# KiCad board mobo.kicad_pcb
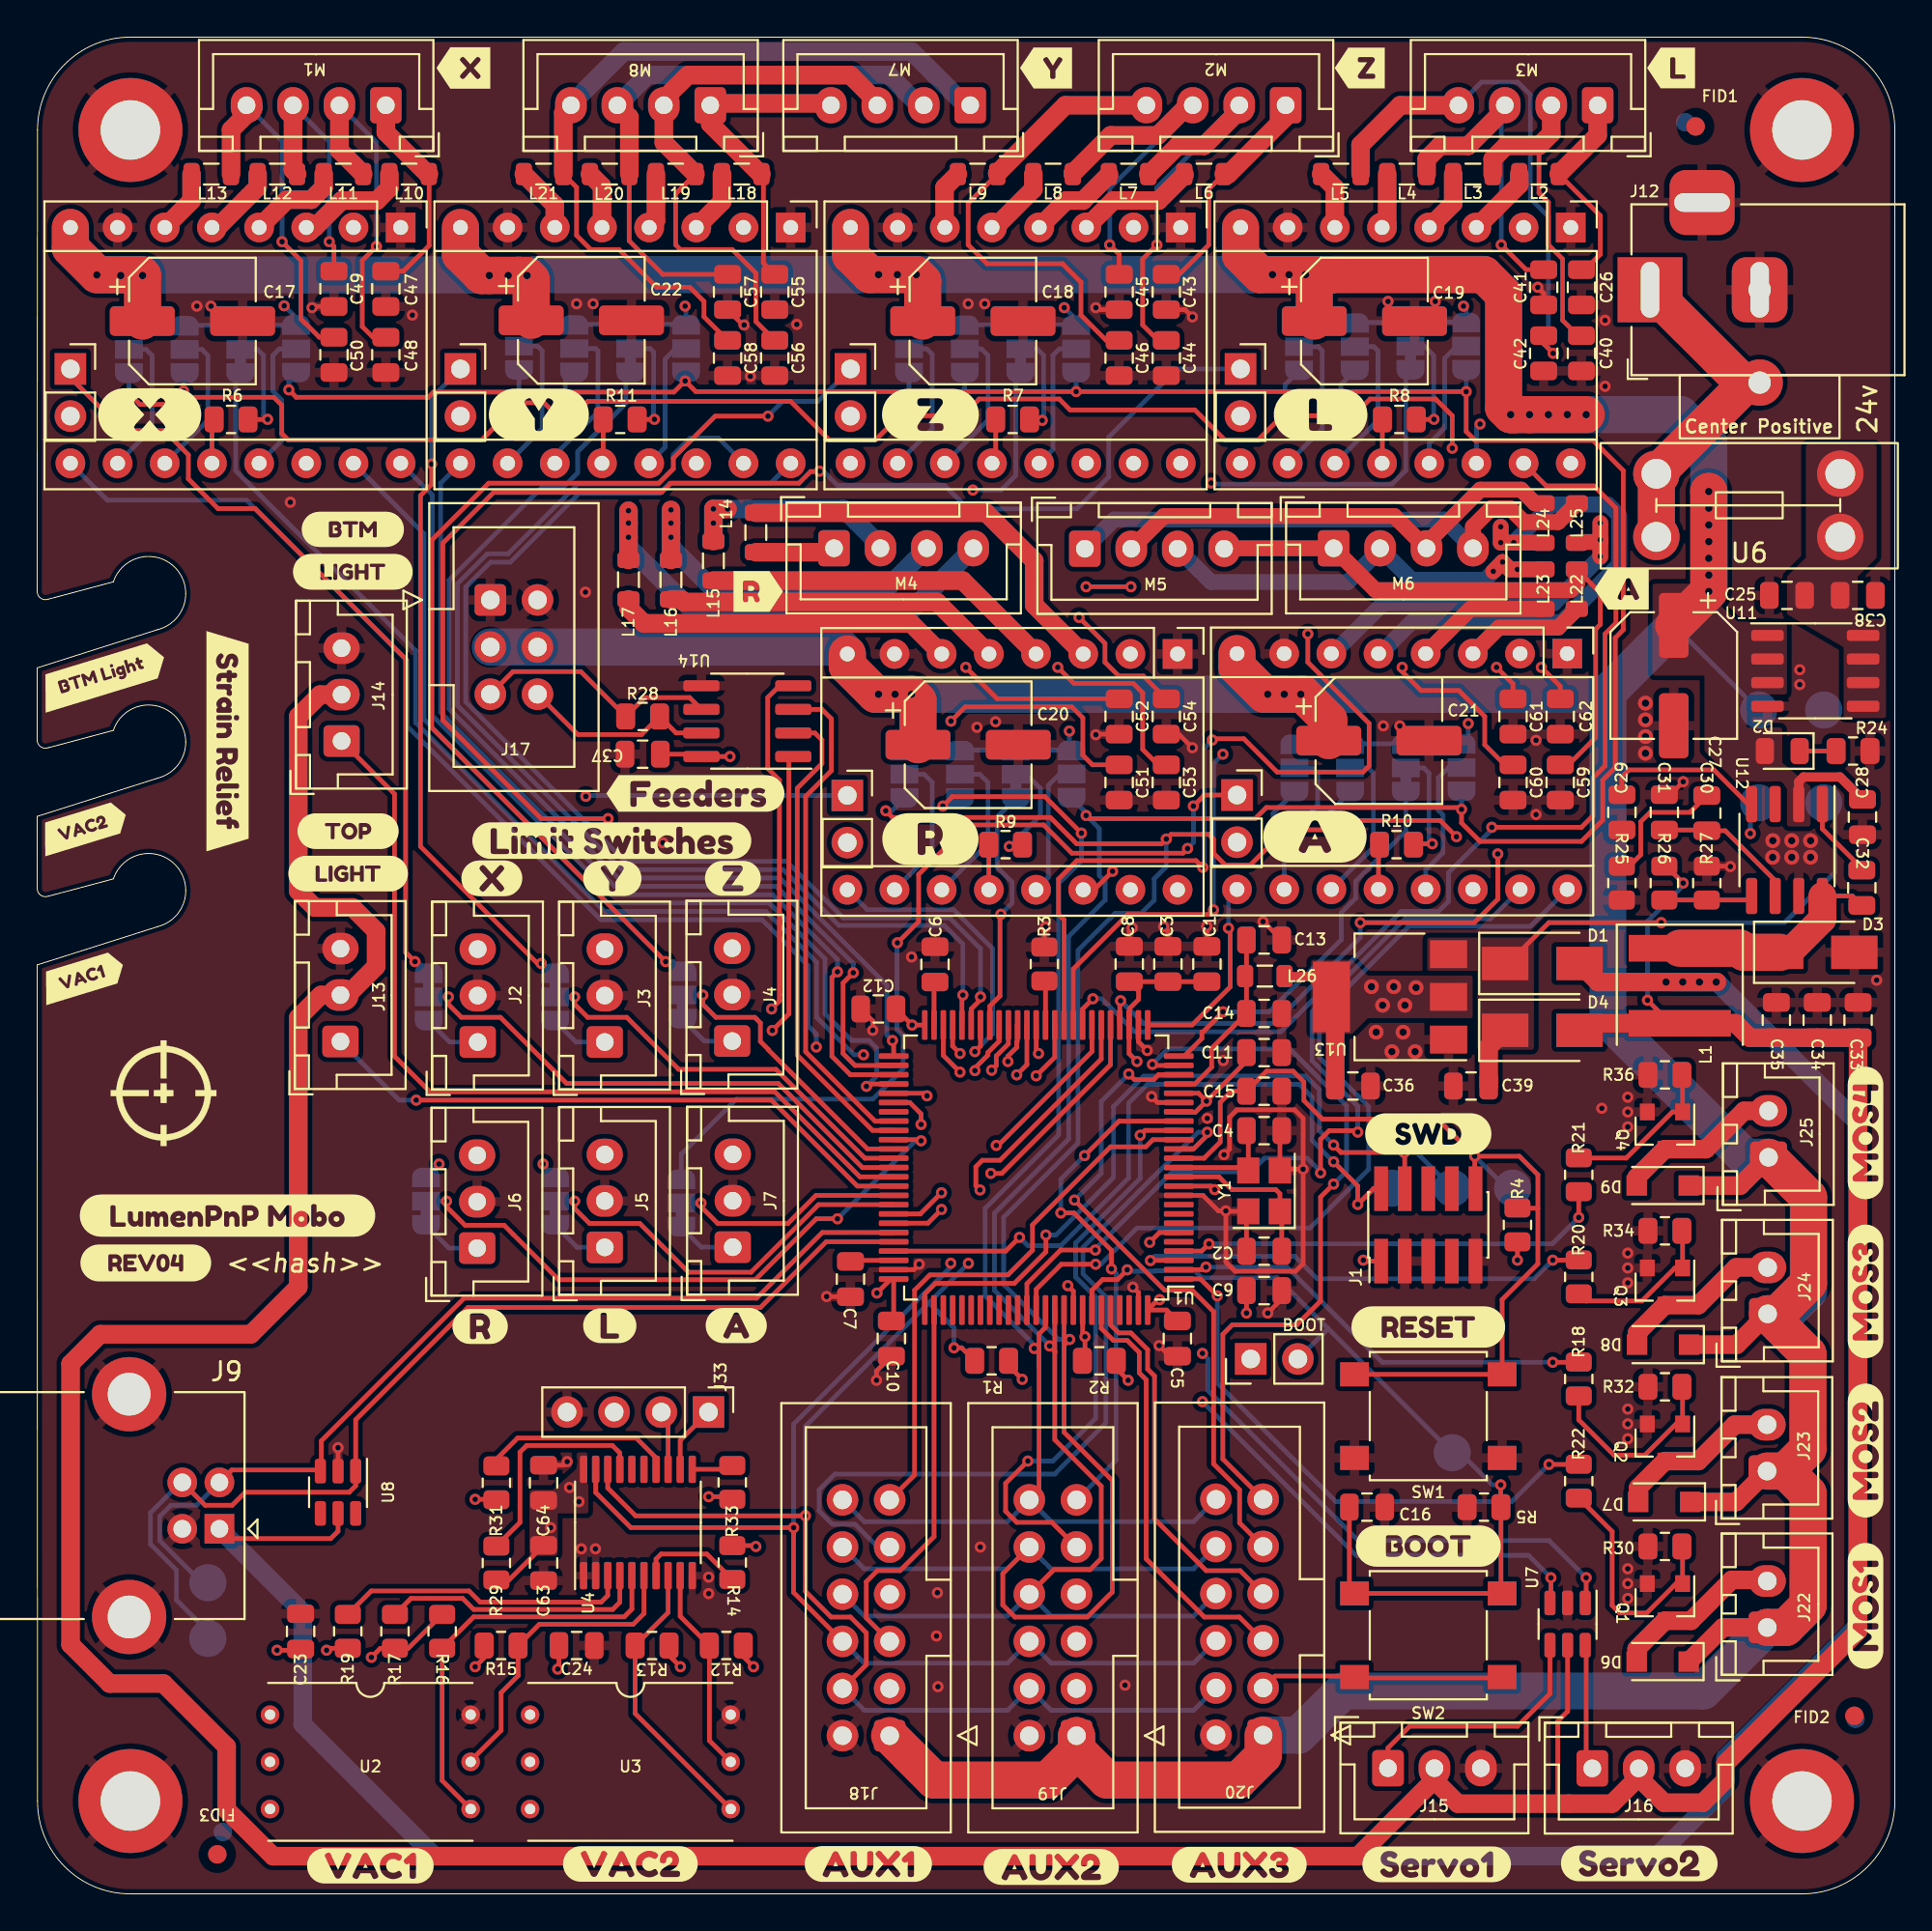
[diagram p0: board, top side]
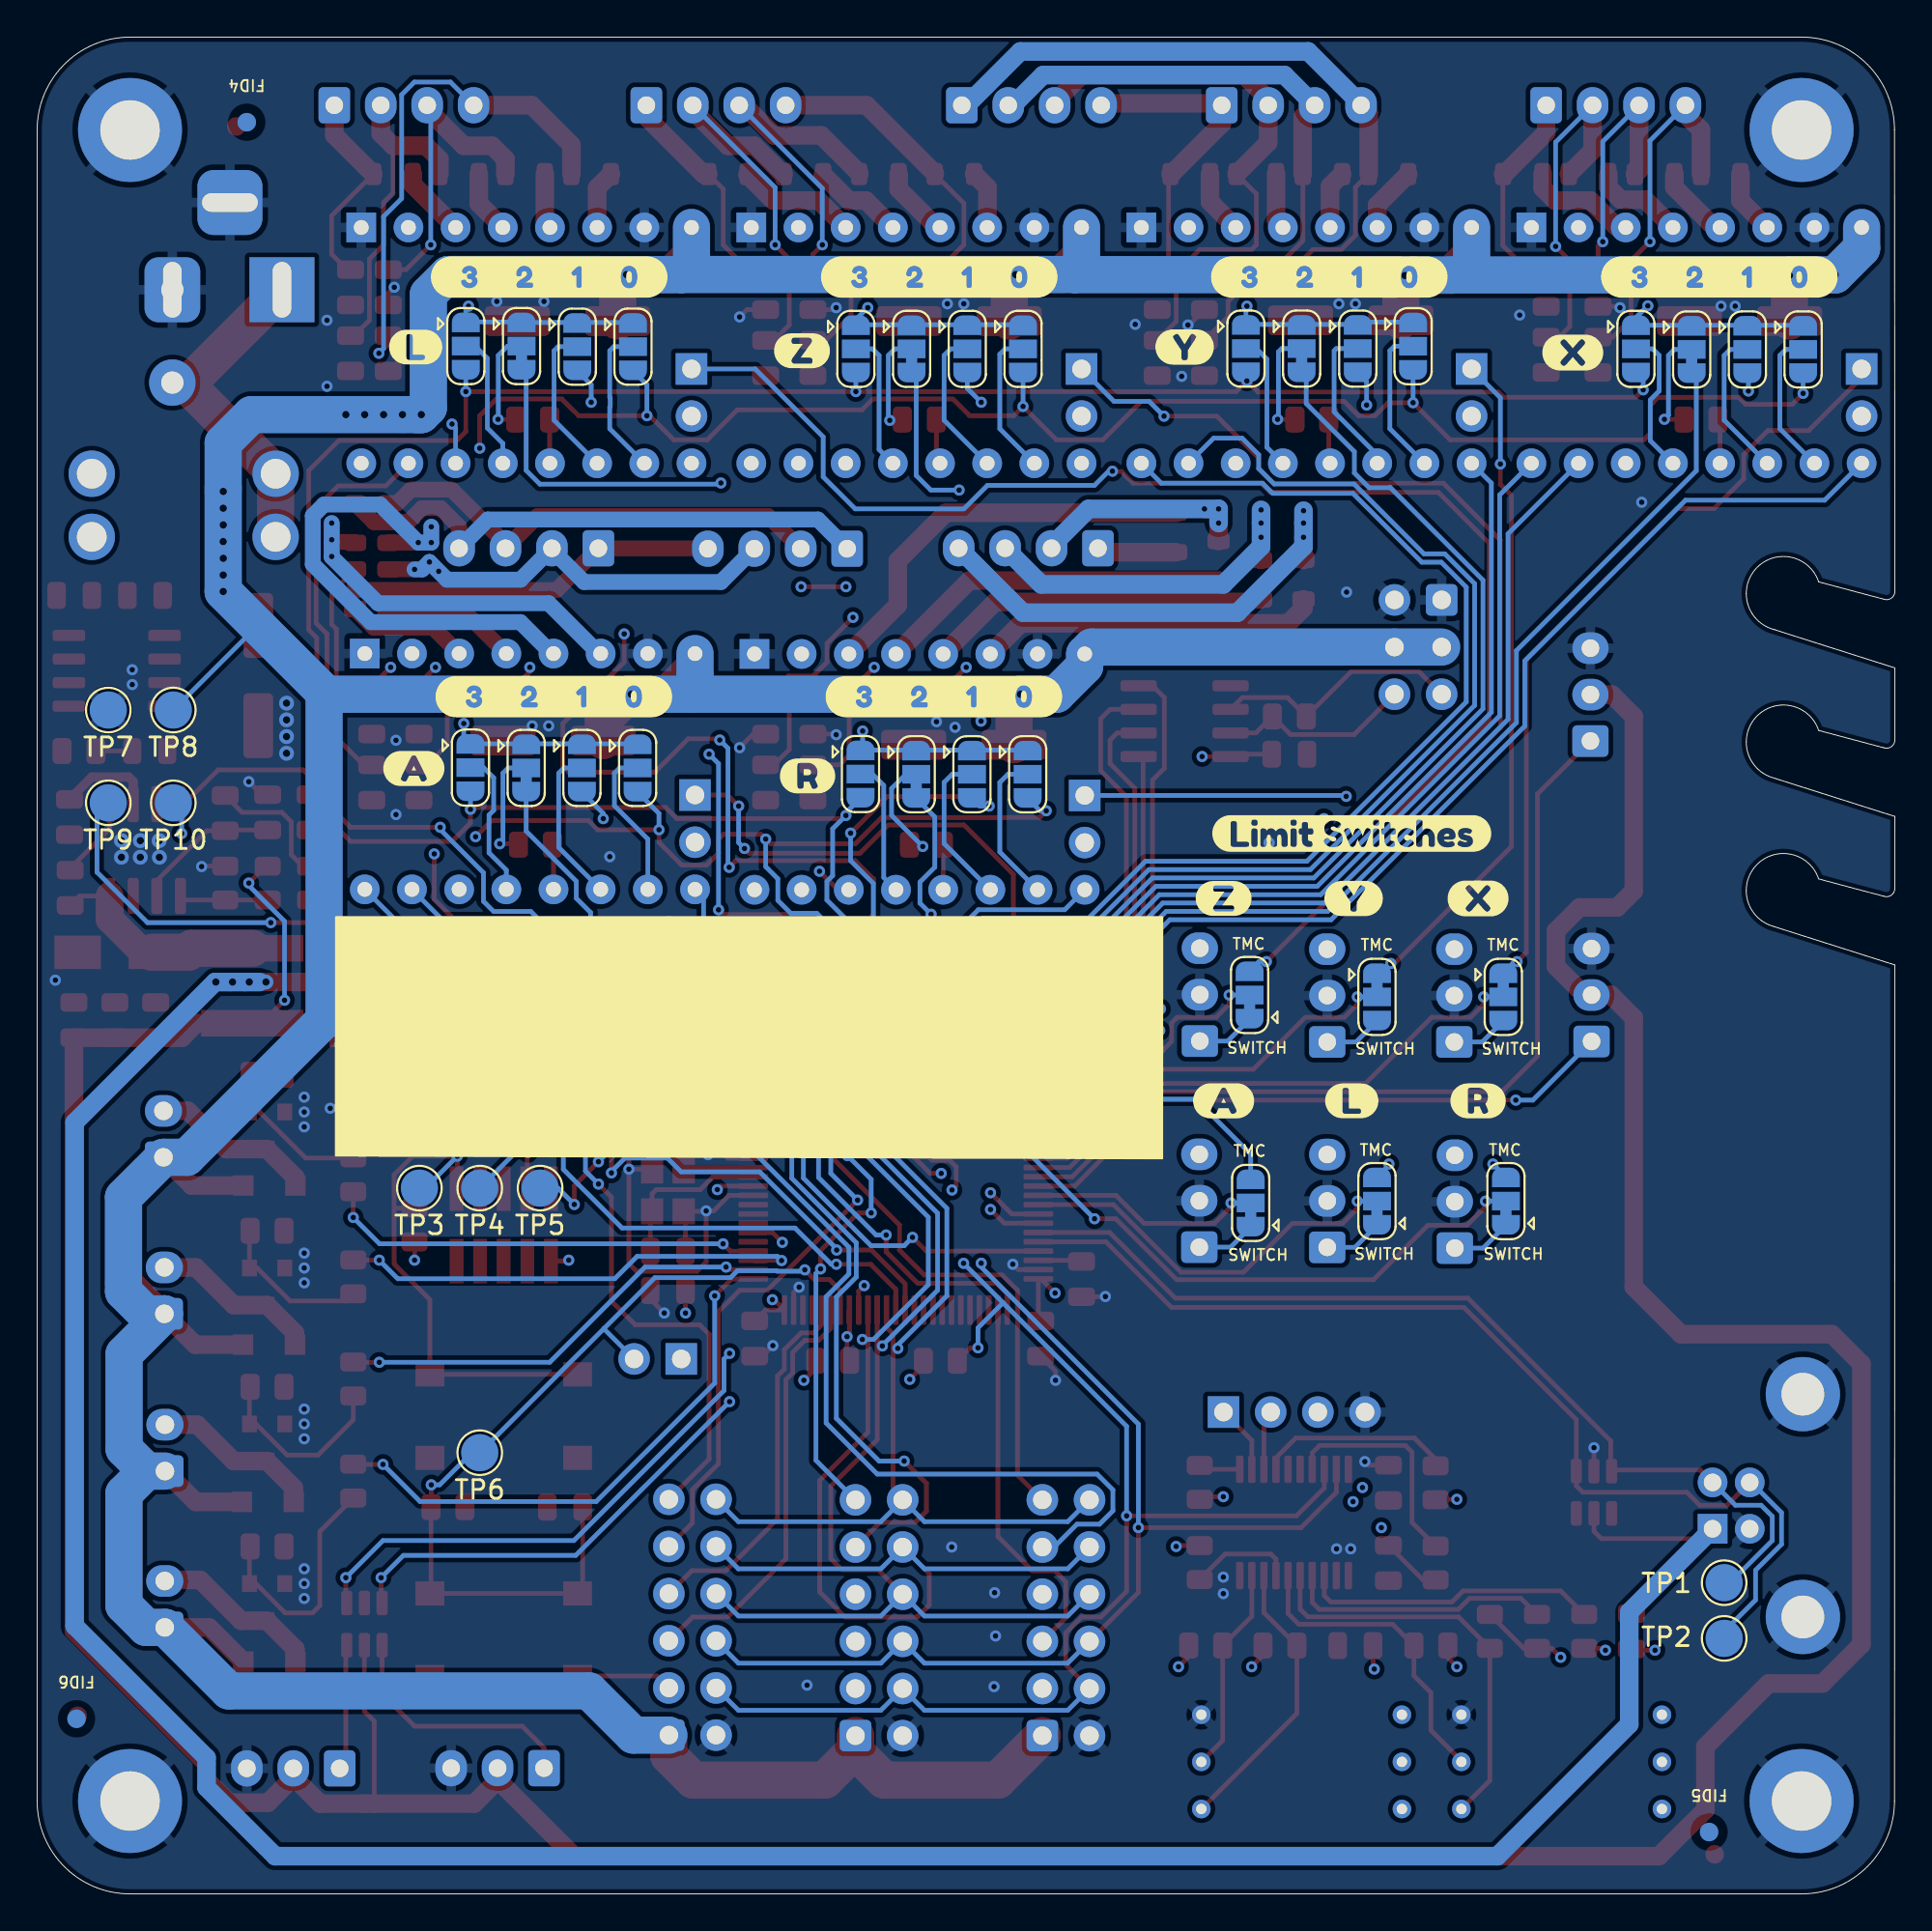
[diagram p1: board, bottom side, seen from below]

Outline 100.02 x 100 mm; copper layers: Top, In1.Cu (plane), In2.Cu (plane), Bottom. Coordinates in mm from the lower left corner of the outline.
Outline path: 0,70.13 0.02,95 arc(1.48,98.54) 5.02,100 95.02,100 arc(98.56,98.54) 100.02,95 100.02,5 arc(98.56,1.46) 95.02,0 5.02,0 arc(1.48,1.46) 0.02,5 0,50.03 6.49,52.09 arc(7.58,52.8) 8,54.03 arc(6.32,56.01) 4.1,54.67 0.6,53.73 arc(0.2,53.78) 0,54.13 0,58.03 6.49,60.09 arc(7.58,60.8) 8,62.03 arc(6.32,64) 4.1,62.66 0.6,61.73 arc(0.2,61.78) 0,62.13 0,66.03 6.49,68.09 arc(7.58,68.8) 8,70.03 arc(6.32,72) 4.1,70.66 0.6,69.73 arc(0.2,69.78) 0,70.13
Stack: Top 0.035mm / dielectric 0.48mm FR4 er 4.5 / In1.Cu 0.035mm / dielectric 0.48mm FR4 er 4.5 / In2.Cu 0.035mm / dielectric 0.48mm FR4 er 4.5 / Bottom 0.035mm

## Placement (name value [footprint] x y rotation side)
A1  Motor_Driver  [Pololu_Breakout-16_15.2x20.3mm]  19.57 89.75 270 top
A2  Motor_Driver  [Pololu_Breakout-16_15.2x20.3mm]  61.57 89.75 270 top
A3  Motor_Driver  [Pololu_Breakout-16_15.2x20.3mm]  82.57 89.75 270 top
A4  Motor_Driver  [Pololu_Breakout-16_15.2x20.3mm]  61.4 66.78 270 top
A5  Motor_Driver  [Pololu_Breakout-16_15.2x20.3mm]  82.38 66.8 270 top
A6  Motor_Driver  [Pololu_Breakout-16_15.2x20.3mm]  40.57 89.75 270 top
C1  2.2u  [C_0805_2012Metric]  62.98 50.08 90 top
C2  10p  [C_0805_2012Metric]  66.06 34.62 180 top
C3  2.2u  [C_0805_2012Metric]  60.88 50.08 90 top
C4  10p  [C_0805_2012Metric]  66.06 41.11 0 top
C5  100n  [C_0805_2012Metric]  61.39 29.91 270 top
C6  2.2u  [C_0805_2012Metric]  48.34 50.06 90 top
C7  2.2u  [C_0805_2012Metric]  43.79 33.11 270 top
C8  100n  [C_0805_2012Metric]  58.8 50.08 90 top
C9  100n  [C_0805_2012Metric]  66.06 32.49 0 top
C10  100n  [C_0805_2012Metric]  45.99 29.91 270 top
C11  100n  [C_0805_2012Metric]  66.06 45.31 0 top
C12  100n  [C_0805_2012Metric]  45.29 47.66 180 top
C13  100n  [C_0805_2012Metric]  66.06 51.38 0 top
C14  2.2u  [C_0805_2012Metric]  66.06 47.42 0 top
C15  100n  [C_0805_2012Metric]  66.06 43.23 0 top
C16  100n  [C_0805_2012Metric]  71.6 20.83 0 top
C17  100u  [CP_Elec_6.3x7.7]  8.36 84.71 0 top
C18  100u  [CP_Elec_6.3x7.7]  50.38 84.71 0 top
C19  100u  [CP_Elec_6.3x7.7]  71.46 84.71 0 top
C20  100u  [CP_Elec_6.3x7.7]  50.13 61.89 0 top
C21  100u  [CP_Elec_6.3x7.7]  72.24 62.11 0 top
C22  100u  [CP_Elec_6.3x7.7]  29.3 84.75 0 top
C23  100nF  [C_0805_2012Metric]  14.19 14.14 90 top
C24  100nF  [C_0805_2012Metric]  29.04 13.38 0 top
C25  22uF  [C_0805_2012Metric]  94.21 69.93 0 top
C26  1nF  [C_0805_2012Metric]  83.15 86.53 270 top
C27  100u  [CP_Elec_6.3x7.7]  88.12 65.62 270 top
C28  10n  [C_0805_2012Metric]  98.28 58 90 top
C29  10n  [C_0805_2012Metric]  85.32 58.25 90 top
C30  2.2n  [C_0805_2012Metric]  89.89 58.21 270 top
C31  22p  [C_0805_2012Metric]  87.61 58.25 270 top
C32  100n  [C_0805_2012Metric]  98.24 54.19 270 top
C33  22uF  [C_0805_2012Metric]  98.04 47.06 270 top
C34  22uF  [C_0805_2012Metric]  95.84 47.06 270 top
C35  22uF  [C_0805_2012Metric]  93.64 47.06 270 top
C36  22uF  [C_0805_2012Metric]  70.84 43.51 0 top
C37  100n  [C_0805_2012Metric]  32.6 61.38 180 top
C38  22uF  [C_0805_2012Metric]  98.02 69.93 180 top
C39  22uF  [C_0805_2012Metric]  77.2 43.51 180 top
C40  1nF  [C_0805_2012Metric]  83.15 82.97 270 top
C41  1nF  [C_0805_2012Metric]  81.11 86.53 270 top
C42  1nF  [C_0805_2012Metric]  81.11 82.97 270 top
C43  1nF  [C_0805_2012Metric]  60.79 86.27 270 top
C44  1nF  [C_0805_2012Metric]  60.79 82.72 270 top
C45  1nF  [C_0805_2012Metric]  58.25 86.27 270 top
C46  1nF  [C_0805_2012Metric]  58.25 82.72 270 top
C47  1nF  [C_0805_2012Metric]  18.77 86.44 270 top
C48  1nF  [C_0805_2012Metric]  18.77 82.89 270 top
C49  1nF  [C_0805_2012Metric]  15.98 86.44 270 top
C50  1nF  [C_0805_2012Metric]  15.98 82.89 270 top
C51  1nF  [C_0805_2012Metric]  58.25 59.86 270 top
C52  1nF  [C_0805_2012Metric]  58.25 63.41 270 top
C53  1nF  [C_0805_2012Metric]  60.79 59.86 270 top
C54  1nF  [C_0805_2012Metric]  60.79 63.41 270 top
C55  1nF  [C_0805_2012Metric]  39.71 86.27 270 top
C56  1nF  [C_0805_2012Metric]  39.71 82.72 270 top
C57  1nF  [C_0805_2012Metric]  37.17 86.27 270 top
C58  1nF  [C_0805_2012Metric]  37.17 82.72 270 top
C59  1nF  [C_0805_2012Metric]  82 59.86 270 top
C60  1nF  [C_0805_2012Metric]  79.46 59.86 270 top
C61  1nF  [C_0805_2012Metric]  79.46 63.41 270 top
C62  1nF  [C_0805_2012Metric]  82 63.41 270 top
C63  100nF  [C_0805_2012Metric]  27.27 17.82 270 top
C64  22uF  [C_0805_2012Metric]  27.27 22.14 90 top
D1  SS34  [D_SMA]  81.04 50.11 0 top
D2  Yellow  [LED_0805_2012Metric]  93.96 61.55 180 top
D3  SS34  [D_SMA]  95.84 50.71 0 top
D4  SS34  [D_SMA]  81.04 46.51 0 top
D6  SM4007  [D_SOD-123F]  87.52 12.51 180 top
D7  SM4007  [D_SOD-123F]  87.6 21.11 180 top
D8  SM4007  [D_SOD-123F]  87.54 29.58 180 top
D9  SM4007  [D_SOD-123F]  87.52 38.15 180 top
FID1  Fiducial  [Fiducial_1mm_Mask2mm]  89.29 95.19 0 top
FID2  Fiducial  [Fiducial_1mm_Mask2mm]  97.84 9.59 0 top
FID3  Fiducial  [Fiducial_1mm_Mask2mm]  9.7 2.13 180 top
FID4  Fiducial  [Fiducial_1mm_Mask2mm]  88.73 95.42 180 bottom
FID5  Fiducial  [Fiducial_1mm_Mask2mm]  10 3.33 180 bottom
FID6  Fiducial  [Fiducial_1mm_Mask2mm]  97.9 9.43 180 bottom
G***  LOGO  [logo]  6.8 43.13 0 top
G***#2  LOGO  [goblin]  13.02 56.88 135 bottom
G***#3  LOGO  [logo_small_mask]  5.1 40.43 90 bottom
H5  MountingHole_Pad  [MountingHole_3.2mm_M3_DIN965_Pad]  5.02 95 0 top
H6  MountingHole_Pad  [MountingHole_3.2mm_M3_DIN965_Pad]  95.02 5 0 top
H7  MountingHole_Pad  [MountingHole_3.2mm_M3_DIN965_Pad]  95.02 95 0 top
H8  MountingHole_Pad  [MountingHole_3.2mm_M3_DIN965_Pad]  5.02 5 0 top
J1  SWD Header  [PinHeader_2x05_P1.27mm_Vertical_SMD]  74.9 36.03 90 top
J2  X_LIMIT  [JST_XH_B3B-XH-A_1x03_P2.50mm_Vertical]  23.72 45.88 90 top
J3  Y_LIMIT  [JST_XH_B3B-XH-A_1x03_P2.50mm_Vertical]  30.56 45.88 90 top
J4  Z_LIMIT  [JST_XH_B3B-XH-A_1x03_P2.50mm_Vertical]  37.42 45.93 90 top
J5  L_LIMIT  [JST_XH_B3B-XH-A_1x03_P2.50mm_Vertical]  30.56 34.82 90 top
J6  R_LIMIT  [JST_XH_B3B-XH-A_1x03_P2.50mm_Vertical]  23.69 34.78 90 top
J7  A_LIMIT  [JST_XH_B3B-XH-A_1x03_P2.50mm_Vertical]  37.45 34.83 90 top
J9  USB_B  [USB_B_Lumberg_2411_02_Horizontal]  9.81 19.66 180 top
J12  COMBO_POWER_JACK  [BarrelJack_Horizontal]  86.74 86.39 180 top
J13  DOWNWARDS_LIGHT  [JST_XH_B3B-XH-A_1x03_P2.50mm_Vertical]  16.33 45.91 90 top
J14  UPWARDS_LIGHT  [JST_XH_B3B-XH-A_1x03_P2.50mm_Vertical]  16.39 62.09 90 top
J15  SERVO1  [JST_XH_B3B-XH-A_1x03_P2.50mm_Vertical]  72.73 6.77 0 top
J16  SERVO2  [JST_XH_B3B-XH-A_1x03_P2.50mm_Vertical]  83.73 6.76 0 top
J17  Feeders  [IDC-Header_2x03_P2.54mm_Vertical]  24.4 69.69 0 top
J18  AUX  [IDC-Header_2x06_P2.54mm_Vertical]  45.9 8.52 180 top
J19  AUX  [IDC-Header_2x06_P2.54mm_Vertical]  55.96 8.52 180 top
J20  AUX  [IDC-Header_2x06_P2.54mm_Vertical]  66.01 8.55 180 top
J21  TMC_PIN_HEADER  [PinSocket_1x02_P2.54mm_Vertical]  64.79 82.13 0 top
J22  Mosfet  [JST_XH_B2B-XH-A_1x02_P2.50mm_Vertical]  93.15 14.35 90 top
J23  Mosfet  [JST_XH_B2B-XH-A_1x02_P2.50mm_Vertical]  93.14 22.77 90 top
J24  Mosfet  [JST_XH_B2B-XH-A_1x02_P2.50mm_Vertical]  93.17 31.24 90 top
J25  Mosfet  [JST_XH_B2B-XH-A_1x02_P2.50mm_Vertical]  93.22 39.67 90 top
J26  TMC_PIN_HEADER  [PinSocket_1x02_P2.54mm_Vertical]  43.79 82.13 0 top
J27  TMC_PIN_HEADER  [PinSocket_1x02_P2.54mm_Vertical]  1.79 82.13 0 top
J28  TMC_PIN_HEADER  [PinSocket_1x02_P2.54mm_Vertical]  43.62 59.16 0 top
J29  TMC_PIN_HEADER  [PinSocket_1x02_P2.54mm_Vertical]  22.79 82.13 0 top
J30  TMC_PIN_HEADER  [PinSocket_1x02_P2.54mm_Vertical]  64.6 59.18 0 top
J32  BOOT_JUMPER  [PinHeader_1x02_P2.54mm_Vertical]  65.34 28.81 90 top
J33  I2C_AUX  [PinHeader_1x04_P2.54mm_Vertical]  36.15 25.95 270 top
JP1  CFG0  [SolderJumper-3_P1.3mm_Open_RoundedPad1.0x1.5mm]  4.94 83.18 270 bottom
JP2  CFG2  [SolderJumper-3_P1.3mm_Bridged23_RoundedPad1.0x1.5mm]  10.94 83.18 270 bottom
JP3  CFG1  [SolderJumper-3_P1.3mm_Open_RoundedPad1.0x1.5mm]  7.94 83.18 270 bottom
JP4  CFG3  [SolderJumper-3_P1.3mm_Open_RoundedPad1.0x1.5mm]  76.94 83.36 270 bottom
JP5  CFG0  [SolderJumper-3_P1.3mm_Open_RoundedPad1.0x1.5mm]  46.94 83.21 270 bottom
JP6  CFG2  [SolderJumper-3_P1.3mm_Bridged23_RoundedPad1.0x1.5mm]  52.94 83.21 270 bottom
JP7  CFG1  [SolderJumper-3_P1.3mm_Open_RoundedPad1.0x1.5mm]  49.94 83.21 270 bottom
JP8  CFG3  [SolderJumper-3_P1.3mm_Open_RoundedPad1.0x1.5mm]  13.94 83.21 270 bottom
JP9  CFG0  [SolderJumper-3_P1.3mm_Open_RoundedPad1.0x1.5mm]  67.94 83.33 270 bottom
JP10  CFG2  [SolderJumper-3_P1.3mm_Bridged23_RoundedPad1.0x1.5mm]  73.94 83.36 270 bottom
JP11  CFG1  [SolderJumper-3_P1.3mm_Open_RoundedPad1.0x1.5mm]  70.94 83.33 270 bottom
JP12  CFG3  [SolderJumper-3_P1.3mm_Open_RoundedPad1.0x1.5mm]  55.94 83.21 270 bottom
JP13  CFG0  [SolderJumper-3_P1.3mm_Open_RoundedPad1.0x1.5mm]  46.69 60.3 270 bottom
JP14  CFG2  [SolderJumper-3_P1.3mm_Bridged23_RoundedPad1.0x1.5mm]  52.69 60.3 270 bottom
JP15  CFG1  [SolderJumper-3_P1.3mm_Open_RoundedPad1.0x1.5mm]  49.69 60.3 270 bottom
JP16  CFG3  [SolderJumper-3_P1.3mm_Open_RoundedPad1.0x1.5mm]  55.69 60.31 270 bottom
JP17  CFG0  [SolderJumper-3_P1.3mm_Open_RoundedPad1.0x1.5mm]  67.69 60.64 270 bottom
JP18  CFG2  [SolderJumper-3_P1.3mm_Bridged23_RoundedPad1.0x1.5mm]  73.69 60.64 270 bottom
JP19  CFG1  [SolderJumper-3_P1.3mm_Open_RoundedPad1.0x1.5mm]  70.69 60.64 270 bottom
JP20  CFG3  [SolderJumper-3_P1.3mm_Open_RoundedPad1.0x1.5mm]  76.69 60.66 270 bottom
JP21  CFG0  [SolderJumper-3_P1.3mm_Open_RoundedPad1.0x1.5mm]  25.94 83.35 270 bottom
JP22  CFG2  [SolderJumper-3_P1.3mm_Bridged23_RoundedPad1.0x1.5mm]  31.94 83.23 270 bottom
JP23  CFG1  [SolderJumper-3_P1.3mm_Open_RoundedPad1.0x1.5mm]  28.92 83.23 270 bottom
JP24  CFG3  [SolderJumper-3_P1.3mm_Open_RoundedPad1.0x1.5mm]  34.94 83.23 270 bottom
JP25  X_LIMIT_SELECT  [SolderJumper-3_P1.3mm_Bridged12_RoundedPad1.0x1.5mm]  21.08 48.31 270 bottom
JP26  Y_LIMIT_SELECT  [SolderJumper-3_P1.3mm_Bridged12_RoundedPad1.0x1.5mm]  27.88 48.31 270 bottom
JP29  Z_LIMIT_SELECT  [SolderJumper-3_P1.3mm_Bridged12_RoundedPad1.0x1.5mm]  34.74 48.41 90 bottom
JP30  L_LIMIT_SELECT  [SolderJumper-3_P1.3mm_Bridged12_RoundedPad1.0x1.5mm]  27.88 37.31 90 bottom
JP31  R_LIMIT_SELECT  [SolderJumper-3_P1.3mm_Bridged12_RoundedPad1.0x1.5mm]  20.94 37.31 90 bottom
JP32  A_LIMIT_SELECT  [SolderJumper-3_P1.3mm_Bridged12_RoundedPad1.0x1.5mm]  34.68 37.21 90 bottom
kibuzzard-62CD84DD  G***  [kibuzzard-62CD84DD]  17 71.2 0 top
kibuzzard-62CD84DD#2  G***  [kibuzzard-62CD84DD]  16.74 54.95 0 top
kibuzzard-62CD851E  G***  [kibuzzard-62CD851E]  16.74 57.23 0 top
kibuzzard-62CD8502  G***  [kibuzzard-62CD8502]  17 73.49 0 top
kibuzzard-62D5AF79  G***  [kibuzzard-62D5AF79]  85.31 70.27 0 top
kibuzzard-62D5AF99  G***  [kibuzzard-62D5AF99]  87.97 98.34 0 top
kibuzzard-62D5AFA5  G***  [kibuzzard-62D5AFA5]  71.21 98.34 0 top
kibuzzard-62D5AFAB  G***  [kibuzzard-62D5AFAB]  54.32 98.34 0 top
kibuzzard-62D5AFB2  G***  [kibuzzard-62D5AFB2]  22.95 98.34 0 top
kibuzzard-62D5AFEF  G***  [kibuzzard-62D5AFEF]  38.82 70.14 0 top
kibuzzard-62D6DE0B  G***  [kibuzzard-62D6DE0B]  2.43 49.36 17 top
kibuzzard-62D6DE04  G***  [kibuzzard-62D6DE04]  2.48 57.41 17 top
kibuzzard-62D6DF0D  G***  [kibuzzard-62D6DF0D]  10.25 36.53 0 top
kibuzzard-62E81B9A  G***  [kibuzzard-62E81B9A]  10.25 62.08 270 top
kibuzzard-62E81B72  G***  [kibuzzard-62E81B72]  3.5 65.58 17 top
kibuzzard-626AF1CE  G***  [kibuzzard-626AF1CE]  27.01 79.67 0 top
kibuzzard-626AF1DA  G***  [kibuzzard-626AF1DA]  6.06 79.67 0 top
kibuzzard-626AF1F1  G***  [kibuzzard-626AF1F1]  48.09 56.81 0 top
kibuzzard-626AF1FC  G***  [kibuzzard-626AF1FC]  68.79 56.94 0 top
kibuzzard-626AF13F  G***  [kibuzzard-626AF13F]  69.1 79.67 0 top
kibuzzard-626AF14A  G***  [kibuzzard-626AF14A]  48.09 79.67 0 top
kibuzzard-626AF472  G***  [kibuzzard-626AF472]  74.9 40.93 0 top
kibuzzard-626AF483  G***  [kibuzzard-626AF483]  74.9 30.53 0 top
kibuzzard-626AF493  G***  [kibuzzard-626AF493]  74.9 18.73 0 top
kibuzzard-6269827C  G***  [kibuzzard-6269827C]  5.85 33.98 0 top
L1  12u  [L_Coilcraft_XAL60xx_6.36x6.56mm]  88.44 48.91 270 top
L2  L_Ferrite  [L_0805_2012Metric]  80.86 92.62 0 top
L3  L_Ferrite  [L_0805_2012Metric]  77.3 92.62 0 top
L4  L_Ferrite  [L_0805_2012Metric]  73.75 92.62 0 top
L5  L_Ferrite  [L_0805_2012Metric]  70.19 92.62 0 top
L6  L_Ferrite  [L_0805_2012Metric]  62.83 92.62 0 top
L7  L_Ferrite  [L_0805_2012Metric]  58.76 92.62 0 top
L8  L_Ferrite  [L_0805_2012Metric]  54.7 92.62 0 top
L9  L_Ferrite  [L_0805_2012Metric]  50.63 92.62 0 top
L10  L_Ferrite  [L_0805_2012Metric]  20.03 92.62 0 top
L11  L_Ferrite  [L_0805_2012Metric]  16.49 92.62 0 top
L12  L_Ferrite  [L_0805_2012Metric]  12.93 92.62 0 top
L13  L_Ferrite  [L_0805_2012Metric]  9.38 92.62 0 top
L14  L_Ferrite  [L_0805_2012Metric]  38.7 73.32 270 top
L15  L_Ferrite  [L_0805_2012Metric]  36.41 71.8 90 top
L16  L_Ferrite  [L_0805_2012Metric]  34.12 70.78 90 top
L17  L_Ferrite  [L_0805_2012Metric]  31.84 70.78 90 top
L18  L_Ferrite  [L_0805_2012Metric]  37.93 92.62 0 top
L19  L_Ferrite  [L_0805_2012Metric]  34.38 92.62 0 top
L20  L_Ferrite  [L_0805_2012Metric]  30.82 92.62 0 top
L21  L_Ferrite  [L_0805_2012Metric]  27.27 92.62 0 top
L22  L_Ferrite  [L_0805_2012Metric]  82.9 70.27 90 top
L23  L_Ferrite  [L_0805_2012Metric]  81.1 70.27 90 top
L24  L_Ferrite  [L_0805_2012Metric]  81.1 73.83 90 top
L25  L_Ferrite  [L_0805_2012Metric]  82.9 73.83 90 top
L26  L_Ferrite  [L_0805_2012Metric]  66.1 49.43 180 top
M1  Stepper_Motor  [JST_XH_B4B-XH-A_1x04_P2.50mm_Vertical]  18.77 96.33 180 top
M2  Stepper_Motor  [JST_XH_B4B-XH-A_1x04_P2.50mm_Vertical]  67.22 96.33 180 top
M3  Stepper_Motor  [JST_XH_B4B-XH-A_1x04_P2.50mm_Vertical]  84.02 96.33 180 top
M4  Stepper_Motor  [JST_XH_B4B-XH-A_1x04_P2.50mm_Vertical]  42.9 72.47 0 top
M5  MOTOR1  [JST_XH_B4B-XH-A_1x04_P2.50mm_Vertical]  56.41 72.45 0 top
M6  MOTOR2  [JST_XH_B4B-XH-A_1x04_P2.50mm_Vertical]  69.8 72.47 0 top
M7  MOTOR1  [JST_XH_B4B-XH-A_1x04_P2.50mm_Vertical]  50.23 96.33 180 top
M8  MOTOR2  [JST_XH_B4B-XH-A_1x04_P2.50mm_Vertical]  36.24 96.33 180 top
Q1  AO3400A  [SOT-23]  87.64 15.71 270 top
Q2  AO3400A  [SOT-23]  87.64 24.31 270 top
Q3  AO3400A  [SOT-23]  87.64 32.71 270 top
Q4  AO3400A  [SOT-23]  87.64 41.11 270 top
R1  4.7k  [R_0805_2012Metric]  51.39 28.71 180 top
R2  4.7k  [R_0805_2012Metric]  57.19 28.71 180 top
R3  10k  [R_0805_2012Metric]  54.23 50.08 90 top
R4  10k  [R_0805_2012Metric]  79.7 36.03 90 top
R5  10k  [R_0805_2012Metric]  77.9 20.83 180 top
R6  1k  [R_0805_2012Metric]  10.44 79.41 0 top
R7  1k  [R_0805_2012Metric]  52.52 79.41 0 top
R8  1k  [R_0805_2012Metric]  73.34 79.41 0 top
R9  1k  [R_0805_2012Metric]  52.14 56.51 0 top
R10  1k  [R_0805_2012Metric]  73.19 56.51 0 top
R11  1k  [R_0805_2012Metric]  31.39 79.41 0 top
R12  4.7k  [R_0805_2012Metric]  37.11 13.38 180 top
R13  4.7k  [R_0805_2012Metric]  33.11 13.38 180 top
R14  10k  [R_0805_2012Metric]  37.43 17.84 270 top
R15  4.7k  [R_0805_2012Metric]  24.98 13.38 0 top
R16  4.7k  [R_0805_2012Metric]  21.81 14.14 270 top
R17  10k  [R_0805_2012Metric]  19.27 14.14 90 top
R18  120R  [R_0805_2012Metric]  83 27.73 90 top
R19  10k  [R_0805_2012Metric]  16.72 14.14 90 top
R20  120R  [R_0805_2012Metric]  83 33.23 90 top
R21  120R  [R_0805_2012Metric]  83 38.73 270 top
R22  120R  [R_0805_2012Metric]  83 22.23 90 top
R24  10k  [R_0805_2012Metric]  97.77 61.55 0 top
R25  12.1k  [R_0805_2012Metric]  85.32 54.44 270 top
R26  10k  [R_0805_2012Metric]  87.61 54.44 270 top
R27  1.91k  [R_0805_2012Metric]  89.89 54.44 90 top
R28  120  [R_0805_2012Metric]  32.6 63.41 0 top
R29  10k  [R_0805_2012Metric]  24.73 17.82 90 top
R30  10K  [R_0805_2012Metric]  87.64 18.71 0 top
R31  10k  [R_0805_2012Metric]  24.73 22.14 90 top
R32  10K  [R_0805_2012Metric]  87.64 27.31 0 top
R33  10k  [R_0805_2012Metric]  37.43 22.16 90 top
R34  10K  [R_0805_2012Metric]  87.64 35.71 0 top
R36  10K  [R_0805_2012Metric]  87.64 44.11 0 top
REF**  -  [Tab]  26.7 100.23 270 top
REF**#2  -  [Tab]  69.9 -0.27 90 top
REF**#3  -  [Tab]  25 -0.17 90 top
REF**#4  -  [Tab]  100.25 20.53 180 top
REF**#5  -  [Tab]  -0.2 20.53 0 top
REF**#6  -  [Tab]  -0.25 74.03 0 top
REF**#7  -  [Tab]  63.5 100.23 270 top
REF**#8  -  [Tab]  100.2 74.03 180 top
svg2mod  G***  [label]  24.48 54.69 0 top
svg2mod#2  G***  [label]  30.94 56.73 0 top
svg2mod#3  G***  [label]  35.44 59.27 0 top
svg2mod#4  G***  [label]  23.85 30.56 0 top
svg2mod#5  G***  [label]  30.83 30.6 0 top
svg2mod#6  G***  [label]  37.64 30.61 0 top
svg2mod#7  G***  [label]  37.46 54.69 0 top
svg2mod#8  G***  [label]  30.97 54.69 0 top
svg2mod#9  G***  [label]  98.44 15.51 90 top
svg2mod#10  G***  [label]  98.44 32.45 90 top
svg2mod#11  G***  [label]  98.44 40.98 90 top
svg2mod#12  G***  [label]  98.44 23.88 90 top
svg2mod#13  G***  [label]  75.35 1.59 0 top
svg2mod#14  G***  [label]  86.26 1.64 0 top
svg2mod#15  G***  [label]  44.75 1.61 0 top
svg2mod#16  G***  [label]  54.6 1.45 0 top
svg2mod#17  G***  [label]  64.72 1.57 0 top
svg2mod#18  G***  [label]  17.94 1.51 0 top
svg2mod#19  G***  [label]  31.94 1.61 0 top
svg2mod#20  G***  [label]  51.2 64.48 180 bottom
svg2mod#21  G***  [label]  9.45 87.08 180 bottom
svg2mod#22  G***  [label]  17.34 83.01 180 bottom
svg2mod#23  G***  [label]  38.24 83.31 180 bottom
svg2mod#24  G***  [label]  58.84 83.11 180 bottom
svg2mod#25  G***  [label]  79.64 83.31 180 bottom
svg2mod#26  G***  [label]  58.54 60.21 180 bottom
svg2mod#27  G***  [label]  79.74 60.61 180 bottom
svg2mod#28  G***  [label]  22.44 53.61 180 bottom
svg2mod#29  G***  [label]  36.14 42.71 180 bottom
svg2mod#30  G***  [label]  30.45 87.08 180 bottom
svg2mod#31  G***  [label]  51.45 87.08 180 bottom
svg2mod#32  G***  [label]  22.44 42.71 180 bottom
svg2mod#33  G***  [label]  72.45 87.08 180 bottom
svg2mod#34  G***  [label]  72.2 64.48 180 bottom
svg2mod#35  G***  [label]  29.14 53.61 180 bottom
svg2mod#36  G***  [label]  29.24 57.11 180 bottom
svg2mod#37  G***  [label]  29.24 42.71 180 bottom
svg2mod#38  G***  [label]  36.14 53.61 180 bottom
SW1  SW_Push  [SW_SPST_B3S-1000]  74.9 25.73 180 top
SW2  SW_Push  [SW_SPST_B3S-1000]  74.9 13.93 0 top
TP1  MD-_TestPoint  [TestPoint_Pad_D2.0mm]  9.19 16.76 0 bottom
TP2  MD+_TestPoint  [TestPoint_Pad_D2.0mm]  9.19 13.76 0 bottom
TP3  RESET_TestPoint  [TestPoint_Pad_D2.0mm]  79.44 38.01 0 bottom
TP4  SWCLK_TestPoint  [TestPoint_Pad_D2.0mm]  76.19 38.01 0 bottom
TP5  SWDIO_TestPoint  [TestPoint_Pad_D2.0mm]  72.94 38.01 0 bottom